# Altium PCB CONTROL_485.PcbDoc (part 2 of 2)
Units mm, origin at the board's own origin, x right, y up, seen from the top; angles counter-clockwise.
Board outline 100 x 50 mm, 2 copper layers (Top Layer, Top, Bottom Layer, Bottom), stack 1.57 mm thick; 196 components, 120 nets, 634 pads, 358 vias.
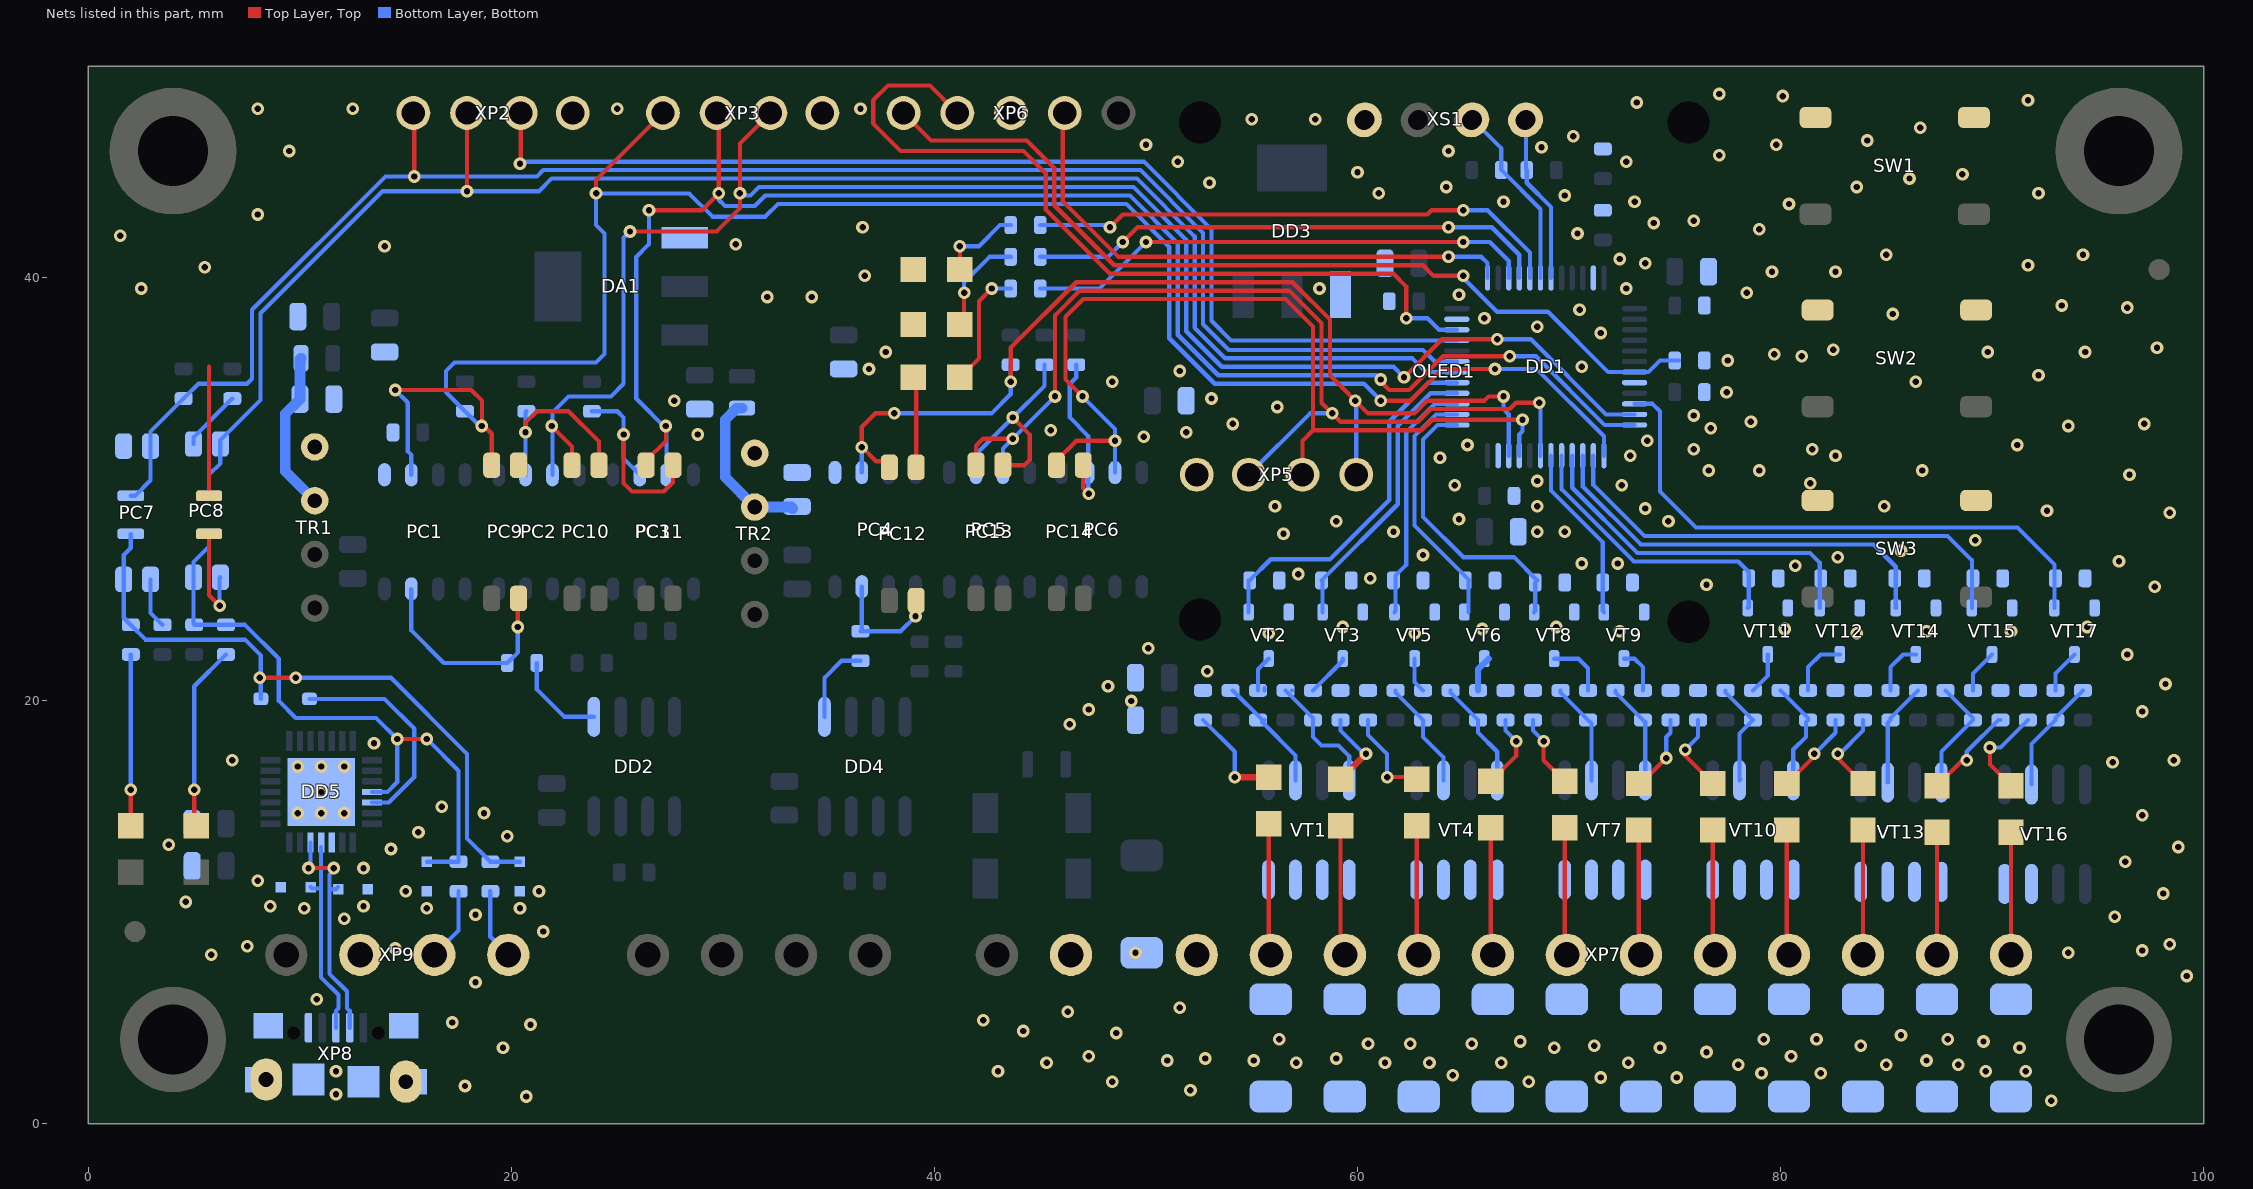
[diagram p2: the nets of this part, all layers, seen from the top]

## Via types
v1: diameter 0.6, hole 0.3, Top Layer, Top to Bottom Layer, Bottom, tented both sides, 358 vias

## Nets (pads, with @x,y where several pads share a name; then routed paths per layer and width w, separated by ;. In a path a pad name is that pad's centre, name@x,y a point inside that pad or via, vN(x,y) a via of type N, cw(c..) or ccw(c..) an arc to the next point about the centre after c; other vN are vias at no path point) (continued)
DEV1: PC2.2 PC10.1 R7.1 | length 8.9
  Top Layer, Top w0.2: v1(20.665,32.7) 20.665,33.165 21.2,33.7 22.7,33.7 24.135,32.265 PC10.1@24.135,31.15
  Bottom Layer, Bottom w0.2: PC2.2@20.665,30.7 20.665,33.665 R7.1@20.7,33.7
DEV2: PC5.2 PC13.1 R25.1 | length 10.1
  Top Layer, Top w0.2: PC13.1@43.235,31.15 44.25,31.15 44.5,31.4 44.5,32.6 v1(43.7,33.4)
  Bottom Layer, Bottom w0.2: PC5.2@41.965,30.8 41.965,31.665 v1(43.7,33.4) 45.2,34.9 R25.1@45.2,35.9
DV1: PC3.2 PC11.1 R11.1 | length 10.4
  Top Layer, Top w0.2: v1(25.3,32.6) 25.3,30.3 25.7,29.9 27.2,29.9 27.635,30.335 PC11.1@27.635,31.15
  Bottom Layer, Bottom w0.2: R11.1@23.8,33.7 25,33.7 25.3,33.4 v1(25.3,32.6) 25.3,31.465 PC3.2@26.065,30.7
DV2: PC6.2 PC14.1 R30.1 | length 8.1
  Top Layer, Top w0.2: PC14.1@47.035,31.15 47.035,30.065 v1(47.3,29.8)
  Bottom Layer, Bottom w0.2: R30.1@46.7,35.9 46.7,35.3 46.4,35 46.4,33.4 47.265,32.535 PC6.2@47.265,30.8 47.265,29.835 v1(47.3,29.8)
GND: C2.1 C3.1 C4.2 C5.1 C6.1 C7.1 C8.1 C9.1 C10.1 C11.1 C12.1 C14.1 C15.1 C16.1 C17.2 C19.2 C20.1 C21.1 C28.1 DA1.1 DD1.8 DD1.23 DD1.35 DD1.47 DD3.1 LED6.1 LED10.1 LED11.1 OLED1.1 PC1.5 PC4.5 PC7.3 PC9.3 PC12.3 R3.1 R8.1 R13.1 R14.2 R16.1 R18.1 R22.1 R27.1 R31.1 R33.1 R35.1 R42.1 R45.1 R50.1 R54.2 R55.1 R57.1 R60.1 R66.1 R67.1 R70.1 R71.1 R74.1 R75.1 SW1.2 SW2.2 SW3.2 TR1.1 TR2.1 VD8.2 VD9.2 VD10.2 VD11.2 VD12.2 VD13.2 VD14.2 VD15.2 VD16.2 VD17.2 VD18.2 VD19.2 VT2.2 VT3.2 VT5.2 VT6.2 VT8.2 VT9.2 VT11.2 VT12.2 VT14.2 VT15.2 VT17.2 XP1.2 XP2.4 XP3.4 XP5.4 XP6.3 XP7.1 XS1.1 | length 10.4
  Top Layer, Top w0.2: R54.2@5.7,29.7 5.7,35.8 ; LED6.1@39,35.3 39.135,35.165 PC12.3@39.135,31.05
  other v1: 92.8,1.1 52.1,1.6 48.4,2 68.1,2 71.5,2.2 75.1,2.2 64.5,2.3 79.1,2.4 81.9,2.4 43,2.5 89.7,2.5 91.6,2.5 78,2.8 85,2.8 88.4,2.8 45.3,2.9 57.1,2.9 61.3,2.9 63.4,2.9 66.8,2.9 72.8,2.9 51,3 55.1,3 86.9,3 52.8,3.1 59,3.1 47.3,3.2 80.5,3.2 76.5,3.4 69.3,3.6 74.3,3.6 91.3,3.6 71.2,3.7 83.8,3.7 60.5,3.8 62.5,3.8 65.4,3.8 67.7,3.9 89.6,3.9 56.3,4 79.2,4 81.7,4 87.9,4 85.7,4.2 48.6,4.3 44.2,4.4 42.3,4.9 46.3,5.3 51.6,5.5 99.2,7 49.5,8.1 93.6,8.1 97.1,8.2 98.4,8.5 95.8,9.8 98.1,10.9 96.3,12.4 98.8,13.1 97.1,14.6 95.7,17.1 98.6,17.2 46.4,18.9 97.1,19.5 47.3,19.6 49.3,20 48.2,20.7 98.2,20.8 52.9,21.4 96.4,22.2 50.1,22.5 55.8,23.2 62.7,23.2 83.6,23.2 72.4,23.3 86.9,23.3 90.9,23.3 65.9,23.4 80.2,23.4 59.3,23.5 69.4,23.5 94.5,23.5 97.7,25.4 76.5,25.5 60.6,25.8 57.2,26 80.7,26.4 70.6,26.5 72.3,26.5 96,26.6 82.7,26.8 63.1,26.9 85.7,27.1 89.2,27.6 56.5,27.9 61.7,28 68.5,28 69.8,28 59,28.5 74.7,28.5 64.8,28.6 98.4,28.9 92.6,29 73.6,29.1 56.1,29.2 68.5,29.2 84.9,29.2 64.6,30.2 72.5,30.2 81.4,30.3 68.5,30.4 96.5,30.7 76.6,30.9 79,30.9 86.7,30.9 63.9,31.5 72.9,31.6 82.6,31.6 75.9,31.9 81.5,31.9 65.2,32.1 91.2,32.1 73.7,32.3 49.9,32.5 28.8,32.6 51.9,32.7 45.5,32.8 76.7,32.9 93.6,33 54.1,33.1 97.2,33.1 78.6,33.2 75.9,33.5 56.2,33.9 27.7,34.2 53.1,34.3 77.45,34.6 48.4,35.1 86.4,35.1 92.2,35.4 51.6,35.6 36.9,35.7 70.6,35.8 77.5,36.1 81,36.3 79.7,36.4 37.7,36.5 89.8,36.5 94.4,36.5 82.5,36.6 97.8,36.7 71.5,37.4 68.5,37.7 66,38.1 85.3,38.3 70.5,38.5 96.4,38.6 93.3,38.7 32.1,39.1 34.2,39.1 64.8,39.2 78.4,39.3 2.5,39.5 58.2,39.5 72.7,39.5 36.7,40.1 79.6,40.3 82.6,40.3 5.5,40.5 91.7,40.6 73.6,40.7 72.4,40.9 85,41.1 94.3,41.1 14,41.5 30.6,41.6 1.5,42 70.4,42.1 79,42.3 36.6,42.4 74,42.6 75.9,42.7 8,43 80.4,43.5 66.9,43.6 73.1,43.6 69.8,43.9 61,44 92.2,44 64.2,44.3 83.6,44.3 53,44.5 86.1,44.7 88.6,44.9 60,45 51.5,45.5 72.7,45.5 77.1,45.8 9.5,46 64.3,46 68.7,46.18 50,46.3 79.8,46.3 84.1,46.5 70.2,46.7 86.6,47.1 55,47.5 58,47.5 8,48 12.5,48 25,48 36.5,48 73.2,48.3 91.7,48.4 80.1,48.6 77.1,48.7
I2C1_SCL: DD1.42 OLED1.3 R63.1 XS1.3 | length 8.8
  Bottom Layer, Bottom w0.2: XS1.3@65.43,47.5 66.8,46.13 R63.1@66.8,45.1 68.65,43.25 DD1.42@68.65,40
I2C1_SDA: DD1.43 OLED1.4 R62.1 XS1.4 | length 8
  Bottom Layer, Bottom w0.2: XS1.4@67.97,47.5 67.97,45.13 R62.1@68,45.1 68,44.5 69.15,43.35 DD1.43@69.15,40
LED_1: DD1.39 R38.2 | length 24.2
  Top Layer, Top w0.2: v1(50,41.7) v1(65,41.7)
  Bottom Layer, Bottom w0.2: R38.2@45,39.5 47.8,39.5 v1(50,41.7) ; v1(65,41.7) 66.25,41.7 67.15,40.8 DD1.39@67.15,40
LED_2: DD1.40 R44.2 | length 24.9
  Top Layer, Top w0.2: v1(48.9,41.7) 49.6,42.4 v1(64.3,42.4)
  Bottom Layer, Bottom w0.2: R44.2@45,41 48.2,41 v1(48.9,41.7) ; v1(64.3,42.4) 66.35,42.4 67.65,41.1 DD1.40@67.65,40
LED_3: DD1.41 R46.2 | length 25.6
  Top Layer, Top w0.2: v1(48.3,42.4) 48.9,43 63.3,43 63.5,43.2 v1(65,43.2)
  Bottom Layer, Bottom w0.2: R46.2@45,42.5 48.2,42.5 v1(48.3,42.4) ; v1(65,43.2) 66.15,43.2 68.15,41.2 DD1.41@68.15,40
NetC17_1: C17.1 L1.2 TR1.2 | length 7.6
  Bottom Layer, Bottom w0.5: L1.2@10.05,36.2 10,36.15 C17.1@10,34.275 9.3,33.575 9.3,30.87 TR1.2@10.7,29.47
NetC20_2: C20.2 L2.2 TR2.2 | length 7.6
  Bottom Layer, Bottom w0.5: L2.2@30.9,33.85 30.65,33.85 30.1,33.3 30.1,30.57 TR2.2@31.5,29.17 33.23,29.17 C20.2@33.3,29.1
NetDD2_1: DD2.1 R5.2 | length 4.5
  Bottom Layer, Bottom w0.2: R5.2@21.2,21.8 21.2,20.55 22.5,19.25 DD2.1@23.895,19.25
NetDD4_1: DD4.1 R21.2 | length 3.9
  Bottom Layer, Bottom w0.2: DD4.1@34.795,19.25 34.795,21.095 35.6,21.9 R21.2@36.5,21.9
NetDD5_26: DD5.26 VD3.1 | length 10.3
  Bottom Layer, Bottom w0.2: VD3.1@10.45,20.1 14,20.1 15.4,18.7 15.4,16.4 14.2,15.2 DD5.26@13.4,15.2
NetLED1_1: LED1.1 R3.2 | length 4.9
  Top Layer, Top w0.3: v1(54.2,16.4) LED1.1@55.8,16.4
  Bottom Layer, Bottom w0.2: R3.2@52.7,19.1 54.2,17.6 v1(54.2,16.4)
NetLED2_1: LED2.1 R13.2 | length 3.9
  Top Layer, Top w0.3: LED2.1@59.2,16.3 v1(60.4,17.5)
  Bottom Layer, Bottom w0.2: R13.2@59.2,19.1 59.2,18.6 60.3,17.5 v1(60.4,17.5)
NetLED3_1: LED3.1 R18.2 | length 4.5
  Top Layer, Top w0.2: v1(61.4,16.4) 62.7,16.4 LED3.1@62.8,16.3
  Bottom Layer, Bottom w0.2: R18.2@60.5,19.1 60.5,18.4 61.4,17.5 v1(61.4,16.4)
NetLED4_1: LED4.1 R27.2 | length 3.6
  Top Layer, Top w0.2: LED4.1@66.3,16.2 67.5,17.4 v1(67.5,18.1)
  Bottom Layer, Bottom w0.2: R27.2@67,19.1 67,18.6 v1(67.5,18.1)
NetLED5_1: LED5.1 R33.2 | length 3.5
  Top Layer, Top w0.2: v1(68.8,18.1) 68.8,17.2 LED5.1@69.8,16.2
  Bottom Layer, Bottom w0.2: R33.2@68.3,19.1 68.3,18.6 v1(68.8,18.1)
NetLED6_2: LED6.2 R38.1 | length 5.7
  Top Layer, Top w0.2: LED6.2@41.2,35.3 42.1,36.2 42.1,38.9 v1(42.7,39.5)
  Bottom Layer, Bottom w0.2: v1(42.7,39.5) R38.1@43.6,39.5
NetLED7_1: LED7.1 R37.1 | length 8.8
  Top Layer, Top w0.2: v1(5,15.8) 5,14.2 LED7.1@5.1,14.1
  Bottom Layer, Bottom w0.2: v1(5,15.8) 5,20.7 R37.1@6.5,22.2
NetLED8_1: LED8.1 R36.1 | length 8.1
  Top Layer, Top w0.2: LED8.1@2,14.1 v1(2,15.8)
  Bottom Layer, Bottom w0.2: v1(2,15.8) R36.1@2,22.2
NetLED9_1: LED9.1 R42.2 | length 3.7
  Top Layer, Top w0.2: LED9.1@73.3,16.1 73.4,16.1 v1(74.6,17.3)
  Bottom Layer, Bottom w0.2: v1(74.6,17.3) 74.6,18.3 74.8,18.5 R42.2@74.8,19.1
NetLED10_2: LED10.2 R44.1 | length 5.2
  Top Layer, Top w0.2: LED10.2@41.2,37.8 41.4,38 v1(41.4,39.3) 41.5,39.4 41.6,39.4 v1@41.45,39.25
  Bottom Layer, Bottom w0.2: v1(41.4,39.3) 41.4,39.8 42.6,41 R44.1@43.6,41
NetLED11_2: LED11.2 R46.1 | length 4.4
  Top Layer, Top w0.2: LED11.2@41.2,40.4 v1(41.2,41.5) v1@41.2,41.7
  Bottom Layer, Bottom w0.2: v1(41.2,41.5) 42.1,41.5 ; 42.3,41.7 42.1,41.5 ; R46.1@43.6,42.5 43.1,42.5 42.1,41.5
NetLED12_1: LED12.1 R50.2 | length 3.8
  Top Layer, Top w0.2: v1(75.5,17.7) 75.5,17.4 LED12.1@76.8,16.1
  Bottom Layer, Bottom w0.2: v1(75.5,17.7) 76.1,18.3 R50.2@76.1,19.1
NetLED13_1: LED13.1 R57.2 | length 4
  Top Layer, Top w0.2: LED13.1@80.3,16.1 81.6,17.4 v1(81.6,17.5)
  Bottom Layer, Bottom w0.2: v1(81.6,17.5) 82.6,18.5 R57.2@82.6,19.1
NetLED14_1: LED14.1 R66.2 | length 4.1
  Top Layer, Top w0.2: v1(82.7,17.5) 82.7,17.3 LED14.1@83.9,16.1
  Bottom Layer, Bottom w0.2: v1(82.7,17.5) 82.8,17.5 83.9,18.6 R66.2@83.9,19.1
NetLED15_1: LED15.1 R70.2 | length 4.5
  Top Layer, Top w0.2: LED15.1@87.4,16 88.6,17.2 v1(88.8,17.2)
  Bottom Layer, Bottom w0.2: v1(88.8,17.2) 88.8,17.6 90.3,19.1 R70.2@90.4,19.1
NetLED16_1: LED16.1 R74.2 | length 4.6
  Top Layer, Top w0.2: v1(89.9,17.8) 89.9,17 LED16.1@90.9,16
  Bottom Layer, Bottom w0.2: v1(89.9,17.8) 90.4,17.8 R74.2@91.7,19.1
NetPC7_1: PC7.1 R39.1 | length 2.4
  Bottom Layer, Bottom w0.2: PC7.1@2.935,25.75 2.935,24.165 R39.1@3.5,23.6
NetPC8_1: PC8.1 R48.1 | length 2.9
  Bottom Layer, Bottom w0.2: PC8.1@4.965,32.15 4.965,32.465 R48.1@6.8,34.3
NetR2_1: R2.1 R4.1 VT1.2 | length 5.6
  Bottom Layer, Bottom w0.2: R4.1@54.1,20.5 R2.1@55.5,19.1 ; R2.1@55.565,19.065 55.6,19.1 R2.1@55.5,19.1 ; VT1.2@57.065,16.25 57.065,17.428 55.5,18.993 R2.1@55.5,19.1
NetR2_2: R2.2 VT2.3 | length 1.8
  Bottom Layer, Bottom w0.2: R2.2@55.3,20.5 55.3,21.5 VT2.3@55.8,22 ; R2.2@55.6,20.5 R2.2@55.6,20.6
NetR12_1: R12.1 R15.1 VT1.4 | length 5.9
  Bottom Layer, Bottom w0.2: R12.1@56.6,20.5 R15.1@57.9,19.2 ; R15.1@57.9,19.1 57.9,18.3 58.3,17.9 59.1,17.9 59.605,17.395 VT1.4@59.605,16.25
NetR15_2: R15.2 VT3.3 | length 2.1
  Bottom Layer, Bottom w0.2: R15.2@57.9,20.5 59.3,21.9 VT3.3@59.3,22
NetR17_1: R17.1 R19.1 VT4.2 | length 5.2
  Bottom Layer, Bottom w0.2: R17.1@61.8,20.5 61.8,20.4 R19.1@63.1,19.1 63.1,18.3 64.065,17.335 VT4.2@64.065,16.25
NetR19_2: R19.2 VT5.3 | length 1.7
  Bottom Layer, Bottom w0.2: VT5.3@62.7,22 62.7,20.9 R19.2@63.1,20.5
NetR26_1: R26.1 R29.1 VT4.4 | length 5.2
  Bottom Layer, Bottom w0.2: R26.1@64.4,20.5 64.4,20.4 R29.1@65.7,19.1 65.7,18.505 66.605,17.6 VT4.4@66.605,16.25
NetR29_2: R29.2 VT6.3 | length 1.7
  Bottom Layer, Bottom w0.3: R29.2@65.7,20.5 65.7,21.5 VT6.3@66.2,22
NetR32_1: R32.1 R34.1 VT7.2 | length 4.9
  Bottom Layer, Bottom w0.2: R32.1@69.6,20.5 69.6,20.4 R34.1@70.9,19.1 71.065,18.935 VT7.2@71.065,16.25
NetR34_2: R34.2 VT8.3 | length 2.8
  Bottom Layer, Bottom w0.2: VT8.3@69.3,22 70.45,22 70.9,21.55 R34.2@70.9,20.5
NetR41_1: R41.1 R43.1 VT7.4 | length 4.8
  Bottom Layer, Bottom w0.2: R41.1@72.2,20.5 72.2,20.4 R43.1@73.5,19.1 73.605,18.995 VT7.4@73.605,16.25
NetR43_2: R43.2 VT9.3 | length 2.2
  Bottom Layer, Bottom w0.2: VT9.3@72.6,22 73.1,22 73.5,21.6 R43.2@73.5,20.5
NetR49_1: R49.1 R52.1 VT10.2 | length 5.1
  Bottom Layer, Bottom w0.2: R49.1@77.4,20.5 77.4,20.4 R52.1@78.7,19.1 78.065,18.465 VT10.2@78.065,16.25 VT10.2@78.1,16.285
NetR52_2: R52.2 VT11.3 | length 2
  Bottom Layer, Bottom w0.2: R52.2@78.7,20.5 79.4,21.2 VT11.3@79.4,22.2
NetR56_1: R56.1 R58.1 VT10.4 | length 5.1
  Bottom Layer, Bottom w0.2: R56.1@80,20.5 81.3,19.2 R58.1@81.3,19.1 81.2,19 81.2,18.3 80.605,17.705 VT10.4@80.605,16.25
NetR58_2: R58.2 VT12.3 | length 2.8
  Bottom Layer, Bottom w0.2: R58.2@81.3,20.5 81.3,21.6 81.9,22.2 VT12.3@82.8,22.2
NetR64_1: R64.1 R65.1 VT13.2 | length 4.9
  Bottom Layer, Bottom w0.2: VT13.2@85.065,16.15 85.065,18.965 R65.1@85.2,19.1 85.2,19.2 R64.1@86.5,20.5
NetR65_2: R65.2 VT14.3 | length 2.5
  Bottom Layer, Bottom w0.2: R65.2@85.2,20.5 85.2,21.6 85.8,22.2 VT14.3@86.4,22.2
NetR68_1: R68.1 R69.1 VT13.4 | length 5.5
  Bottom Layer, Bottom w0.2: VT13.4@87.605,16.15 87.605,17.605 R69.1@89.1,19.1 89.1,19.2 R68.1@87.8,20.5
NetR69_2: R69.2 VT15.3 | length 2.1
  Bottom Layer, Bottom w0.2: R69.2@89.1,20.5 89.1,21.3 VT15.3@90,22.2
NetR72_1: R72.1 R73.1 VT16.2 | length 5.5
  Bottom Layer, Bottom w0.2: VT16.2@91.865,16.05 91.865,17.965 R73.1@93,19.1 93,19.2 R72.1@94.3,20.5
NetR73_2: R73.2 VT17.3 | length 2.1
  Bottom Layer, Bottom w0.2: R73.2@93,20.5 93,21.3 VT17.3@93.9,22.2
NRST: C4.1 DD1.7 XP6.5 | length 43.2
  Top Layer, Top w0.2: XP6.5@38.44,47.9 39.84,46.5 44.36,46.5 45.66,45.2 45.66,43.44 48.5,40.6 63.1,40.6 63.6,40.1 v1(65,40.1)
  Bottom Layer, Bottom w0.2: v1(65,40.1) 65,40 66.6,38.4 69,38.4 71.85,35.55 DD1.7@73.1,35.55 73.75,35.55 74.3,36.1 C4.1@75.2,36.1
ON_SW_1: DD1.29 R8.2 VT2.1 | length 17.3
  Bottom Layer, Bottom w0.2: VT2.1@54.85,24.2 R8.2@54.85,25.7 ; R8.2@54.9,25.7 55.9,26.7 58.7,26.7 61.5,29.5 61.5,33.2 63.35,35.05 DD1.29@64.7,35.05
ON_SW_2: DD1.28 R16.2 VT3.1 | length 13.8
  Bottom Layer, Bottom w0.2: R16.2@58.3,25.7 R16.2@58.35,25.75 ; VT3.1@58.35,24.2 R16.2@58.35,25.75 ; DD1.28@64.7,34.55 63.45,34.55 61.9,33 61.9,29.3 R16.2@58.35,25.75
ON_SW_3: DD1.27 R22.2 VT5.1 | length 11.7
  Bottom Layer, Bottom w0.2: VT5.1@61.75,24.2 61.8,24.25 61.8,25.925 62.3,26.425 62.3,32.7 63.65,34.05 DD1.27@64.7,34.05
ON_SW_4: DD1.26 R31.2 VT6.1 | length 11.8
  Bottom Layer, Bottom w0.2: DD1.26@64.7,33.55 63.716,33.55 62.7,32.534 62.7,28.3 R31.2@65.3,25.7 ; VT6.1@65.25,24.2 R31.2@65.25,25.65
ON_SW_5: DD1.25 R35.2 VT8.1 | length 13.6
  Bottom Layer, Bottom w0.2: DD1.25@64.7,33.05 63.781,33.05 63.1,32.369 63.1,28.7 65,26.8 67.4,26.8 R35.2@68.5,25.7 ; VT8.1@68.35,24.2 68.4,24.25 R35.2@68.4,25.6
ON_SW_6: DD1.18 R45.2 VT9.1 | length 8.4
  Bottom Layer, Bottom w0.2: DD1.18@69.15,31.6 69.15,29.95 71.6,27.5 R45.2@71.6,25.6 71.6,24.25 VT9.1@71.65,24.2
ON_SW_7: DD1.17 R55.2 VT11.1 | length 13.8
  Bottom Layer, Bottom w0.2: DD1.17@69.65,31.6 69.65,30.016 73.066,26.6 78,26.6 78.5,26.1 R55.2@78.5,25.8 78.5,24.45 VT11.1@78.45,24.4
ON_SW_8: DD1.16 R60.2 VT12.1 | length 16.8
  Bottom Layer, Bottom w0.2: DD1.16@70.15,31.6 70.15,30.081 73.231,27 81.4,27 81.85,26.55 VT12.1@81.85,24.4
ON_SW_9: DD1.15 R67.2 VT14.1 | length 19.8
  Bottom Layer, Bottom w0.2: DD1.15@70.65,31.6 70.65,30.147 73.397,27.4 84.4,27.4 85.45,26.35 VT14.1@85.45,24.4
ON_SW_10: DD1.14 R71.2 VT15.1 | length 23
  Bottom Layer, Bottom w0.2: DD1.14@71.15,31.6 71.15,30.213 73.563,27.8 87.9,27.8 89.05,26.65 VT15.1@89.05,24.4
ON_SW_11: DD1.10 R75.2 VT17.1 | length 27.3
  Bottom Layer, Bottom w0.2: DD1.10@73.1,34.05 73.95,34.05 74.3,33.7 74.3,29.9 76,28.2 91.2,28.2 92.95,26.45 VT17.1@92.95,24.4
OUT_SW_1: LED1.2 VD8.1 VT1.7 VT1.8 XP7.2 | length 6.2
  Top Layer, Top w0.2: LED1.2@55.8,14.2 55.8,8.1 XP7.2@55.9,8
OUT_SW_2: LED2.2 VD9.1 VT1.5 VT1.6 XP7.3 | length 6.2
  Top Layer, Top w0.2: LED2.2@59.2,14.1 59.2,8.2 XP7.3@59.4,8
OUT_SW_3: LED3.2 VD10.1 VT4.7 VT4.8 XP7.4 | length 6.1
  Top Layer, Top w0.2: LED3.2@62.8,14.1 62.8,8.1 XP7.4@62.9,8
OUT_SW_4: LED4.2 VD11.1 VT4.5 VT4.6 XP7.5 | length 6
  Top Layer, Top w0.2: LED4.2@66.3,14 66.3,8.1 XP7.5@66.4,8
OUT_SW_5: LED5.2 VD12.1 VT7.7 VT7.8 XP7.6 | length 6
  Top Layer, Top w0.2: LED5.2@69.8,14 69.8,8.1 XP7.6@69.9,8
OUT_SW_6: LED9.2 VD13.1 VT7.5 VT7.6 XP7.7 | length 5.9
  Top Layer, Top w0.2: LED9.2@73.3,13.9 73.3,8.1 XP7.7@73.4,8
OUT_SW_7: LED12.2 VD15.1 VT10.7 VT10.8 XP7.8 | length 5.9
  Top Layer, Top w0.2: LED12.2@76.8,13.9 76.8,8.1 XP7.8@76.9,8
OUT_SW_8: LED13.2 VD17.1 VT10.5 VT10.6 XP7.9 | length 5.9
  Top Layer, Top w0.2: LED13.2@80.3,13.9 80.3,8.1 XP7.9@80.4,8
OUT_SW_9: LED14.2 VD14.1 VT13.7 VT13.8 XP7.10 | length 5.9
  Top Layer, Top w0.2: XP7.10@83.9,8 LED14.2@83.9,13.9
OUT_SW_10: LED15.2 VD16.1 VT13.5 VT13.6 XP7.11 | length 5.8
  Top Layer, Top w0.2: XP7.11@87.4,8 LED15.2@87.4,13.8
OUT_SW_11: LED16.2 VD18.1 VT16.7 VT16.8 XP7.12 | length 5.8
  Top Layer, Top w0.2: XP7.12@90.9,8 LED16.2@90.9,13.8
R1: PC1.3 PC9.2 R5.1 | length 10.4
  Top Layer, Top w0.2: v1(20.3,23.5) 20.3,24.815 PC9.2@20.335,24.85
  Bottom Layer, Bottom w0.2: PC1.3@15.265,25.3 15.265,23.335 16.8,21.8 R5.1@19.8,21.8 20.3,22.3 v1(20.3,23.5)
R2: PC4.3 PC12.2 R21.1 | length 5
  Bottom Layer, Bottom w0.2: PC4.3@36.565,25.4 36.565,23.365 R21.1@36.5,23.3 38.4,23.3 v1(39.1,24)
RX: DD5.25 PC8.4 R37.2 R47.1 R53.1 R59.1 VD6.2 | length 30.4
  Top Layer, Top w0.2: v1(14.6,18.2) v1(16,18.2)
  Bottom Layer, Bottom w0.2: R53.1@5.7,27.9 5.7,27.3 4.965,26.565 PC8.4@4.965,25.85 4.965,23.635 R47.1@5,23.6 R37.2@6.5,23.6 7.4,23.6 9,22 9,20 9.8,19.2 13.6,19.2 v1(14.6,18.2) 14.6,16.166 14.134,15.7 DD5.25@13.4,15.7 ; VD6.2@15.999,12.4 R59.1@17.5,12.4 17.5,16.7 v1(16,18.2)
RX_T: R59.2 XP9.3 | length 3.5
  Bottom Layer, Bottom w0.2: XP9.3@16.35,8 17.5,9.15 R59.2@17.5,11
SGND: C23.2 C24.2 DD5.3 DD5.29 PC8.3 R54.1 VD4.1 VD5.1 VD6.1 VD7.1 XP8.GND XP8.GND2 XP9.2 | length 5
  Top Layer, Top w0.2: R54.1@5.7,27.9 5.7,25 v1(6.2,24.5)
  Bottom Layer, Bottom w0.2: v1(6.2,24.5) 6.2,25.815 PC8.3@6.235,25.85
  other v1: 20.7,1.3 11.7,1.4 17.8,1.8 11.7,2.5 19.6,3.6 20.9,4.7 17.2,4.8 10.8,5.9 18.3,6.7 5.8,8 14.5,8.3 7.5,8.4 21.5,9.1 12.1,9.7 18.3,9.9 10.2,10.2 16,10.2 20.4,10.2 8.6,10.3 13,10.3 4.6,10.5 15,11 21.3,11 8,11.5 13,12.1 14.3,13 3.8,13.2 19.8,13.6 15.6,13.8 9.9,14.7 11,14.7 12.1,14.7 18.7,14.7 16.7,15 11,15.7 9.9,16.9 11,16.9 12.1,16.9 6.8,17.2 13.5,18
SWCLK: DD1.37 XP6.2 | length 26.3
  Top Layer, Top w0.2: XP6.2@46.06,47.9 46.06,43.64 48.7,41 62.031,41 v1(64.3,41)
  Bottom Layer, Bottom w0.2: v1(64.3,41) 65.85,41 66.15,40.7 DD1.37@66.15,40
SWDIO: DD1.34 XP6.4 | length 39.3
  Top Layer, Top w0.2: XP6.4@40.98,47.9 39.78,49.1 37.8,49.1 37.1,48.4 37.1,47.3 38.4,46 44.2,46 45.26,44.94 45.26,43.24 48.3,40.2 61.7,40.2 62.3,39.6 v1(62.3,38.1)
  Bottom Layer, Bottom w0.2: v1(62.3,38.1) 63.3,38.1 63.85,37.55 DD1.34@64.7,37.55
TX: PC7.2 R36.2 R51.1 R61.1 VD3.2 VD7.2 | length 31.6
  Top Layer, Top w0.2: v1(8.1,21.1) v1(9.8,21.1)
  Bottom Layer, Bottom w0.2: R51.1@2,27.9 2,27.235 1.665,26.9 PC7.2@1.665,25.75 1.665,23.935 R36.2@2,23.6 2.7,22.9 7.4,22.9 8.15,22.15 VD3.2@8.15,20.1 ; v1(9.8,21.1) 14.3,21.1 17.9,17.5 17.9,13.5 R61.1@19,12.4 VD7.2@20.399,12.4
TX_T: R61.2 XP9.4 | length 3.4
  Bottom Layer, Bottom w0.2: R61.2@19,11 19,8.85 XP9.4@19.85,8
USART1_DE: DD1.33 XP2.3 | length 52.8
  Top Layer, Top w0.2: v1@20.44,45.4 XP2.3@20.44,47.8
  Bottom Layer, Bottom w0.2: v1(20.4,45.4) 20.5,45.5 49.9,45.5 53.1,42.3 53.1,37.976 54.026,37.05 DD1.33@64.7,37.05
USART1_RX: DD1.31 PC7.4 R40.1 R51.2 XP2.1 | length 81.6
  Top Layer, Top w0.2: XP2.1@15.36,47.8 15.4,47.76 v1(15.4,44.8)
  Bottom Layer, Bottom w0.2: R51.2@2,29.7 2.2,29.7 2.935,30.435 PC7.4@2.935,32.05 2.935,32.735 R40.1@4.5,34.3 5.2,35 7.5,35 7.735,35.235 7.735,38.498 14.037,44.8 v1(15.4,44.8) 21.2,44.8 21.5,45.1 49.734,45.1 52.7,42.134 52.7,37.81 53.91,36.6 63.1,36.6 63.65,36.05 DD1.31@64.7,36.05
USART1_TX: DD1.30 PC8.2 R53.2 XP2.2 | length 78.9
  Top Layer, Top w0.2: v1(17.9,44.1) XP2.2@17.9,47.8
  Bottom Layer, Bottom w0.2: R53.2@5.7,29.7 5.7,30.7 6.235,31.235 PC8.2@6.235,32.15 6.235,32.335 8.135,34.235 8.135,38.332 13.903,44.1 v1(17.9,44.1) 21.3,44.1 21.9,44.7 49.569,44.7 52.3,41.969 52.3,37.644 53.744,36.2 62.6,36.2 63.25,35.55 DD1.30@64.7,35.55
USART2_DE: DD1.11 PC2.3 PC10.2 XP3.3 | length 78
  Top Layer, Top w0.2: v1(21.9,33) 22.865,32.035 PC10.2@22.865,31.15 ; v1(25.6,42.2) 29.7,42.2 30.8,43.3 v1(30.8,44) 30.8,46.36 XP3.3@32.24,47.8 ; v1(62.2,35.3) 64,37.1 v1(66.6,37.1)
  Bottom Layer, Bottom w0.2: PC2.3@21.935,30.7 21.935,33.635 22.7,34.4 24.7,34.4 25.3,35 25.3,41.9 v1(25.6,42.2) ; v1@30.9,43.9 31.3,43.9 31.7,44.3 49.403,44.3 51.9,41.803 51.9,37.479 53.579,35.8 61.7,35.8 v1(62.2,35.3) ; v1(66.6,37.1) 68.2,37.1 71.75,33.55 DD1.11@73.1,33.55
USART2_RX: DD1.13 PC1.6 PC9.4 R1.1 XP3.1 | length 93.5
  Top Layer, Top w0.2: v1(14.5,34.7) 18.1,34.7 18.6,34.2 v1(18.6,33) ; v1@18.7,33 19.065,32.635 PC9.4@19.065,31.15 ; v1(24,44) 24,44.64 XP3.1@27.16,47.8 ; v1(61.1,34.2) 62.514,34.2 64.014,35.7 v1(66.5,35.7)
  Bottom Layer, Bottom w0.2: v1(14.5,34.7) 15.1,34.1 15.1,31.8 15.265,31.635 PC1.6@15.265,30.7 ; v1(18.6,33) 18.5,33 R1.1@17.8,33.7 16.9,34.6 16.9,35.6 17.3,36 24,36 24.4,36.4 24.4,42.1 24,42.5 v1(24,44) 28.4,44 29.5,42.9 32,42.9 32.6,43.5 49.072,43.5 51.1,41.472 51.1,37.147 53.247,35 60.3,35 v1(61.1,34.2) ; v1(66.5,35.7) 68.469,35.7 71.65,32.519 DD1.13@71.65,31.6
USART2_TX: DD1.12 PC3.3 PC11.2 XP3.2 | length 75.9
  Top Layer, Top w0.2: PC11.2@26.365,31.15 26.365,31.365 27.3,32.3 v1(27.3,33) ; v1(26.5,43.2) 29,43.2 v1(29.8,44) XP3.2@29.8,47.9 ; v1(61.1,35.2) 61.1,35.1 61.5,34.7 62.449,34.7 64.049,36.3 v1(67.2,36.3)
  Bottom Layer, Bottom w0.2: v1(26.5,43.2) 26.3,43.2 26.5,43 26.5,41.6 25.9,41 25.9,34.3 27.335,32.865 PC3.3@27.335,30.7 ; v1(27.3,33) v1@27.5,33 ; v1(29.8,44) 29.8,43.7 30.1,43.4 31.5,43.4 32,43.9 49.237,43.9 51.5,41.637 51.5,37.313 53.413,35.4 60.9,35.4 v1(61.1,35.2) ; v1(67.2,36.3) 68.434,36.3 71.684,33.05 DD1.12@73.1,33.05
USART3_DE: DD1.19 PC5.3 PC13.2 XP5.3 | length 47.5
  Top Layer, Top w0.2: PC13.2@41.965,31.15 41.965,32.065 42.3,32.4 v1(43.7,32.4) ; v1(45.7,34.4) 45.7,38.234 46.866,39.4 56.766,39.4 58.3,37.866 58.3,34.1 v1(58.8,33.6) 59.2,33.2 62.866,33.2 63.466,33.8 67.2,33.8 67.5,34.1 v1(68.6,34.1)
  Bottom Layer, Bottom w0.2: PC5.3@43.235,30.8 43.235,31.935 v1(43.7,32.4) ; v1@43.8,32.4 43.8,32.5 v1(45.7,34.4) ; XP5.3@54.86,30.7 57.76,33.6 v1(58.8,33.6) ; v1(68.6,34.1) 68.6,34 68.65,34.05 DD1.19@68.65,31.6
USART3_RX: DD1.22 PC4.6 PC12.4 R20.1 XP5.1 | length 50.1
  Top Layer, Top w0.2: PC12.4@37.865,31.05 37.865,31.335 37.23,31.335 v1(36.565,32) 36.565,32.965 37.2,33.6 v1(38.1,33.6) ; v1(43.6,35.1) 43.6,36.7 46.7,39.8 56.931,39.8 58.7,38.031 58.7,35.4 60.5,33.6 62.7,33.6 63.3,34.2 66,34.2 66.2,34.4 v1(66.9,34.4)
  Bottom Layer, Bottom w0.2: PC4.6@36.565,30.8 v1(36.565,32) ; v1(38.1,33.6) 42.7,33.6 43.6,34.5 v1(43.6,35.1) R20.1@43.6,35.9 ; v1(59.9,34.2) 59.94,34.16 XP5.1@59.94,30.7 ; v1(66.9,34.4) 66.9,33.8 67.15,33.55 DD1.22@67.15,31.6
USART3_TX: DD1.21 PC6.3 PC14.2 XP5.2 | length 43.6
  Top Layer, Top w0.2: PC14.2@45.765,31.15 45.765,31.365 46.7,32.3 v1(48.535,32.3) ; v1(47,34.4) 46.2,35.2 46.2,38.169 47.031,39 56.6,39 57.9,37.7 57.9,32.8 ; XP5.2@57.4,30.7 57.4,32.3 57.9,32.8 ; v1@67.8,33.5 v1(67.8,33.3) 63.531,33.3 63.031,32.8 57.9,32.8
  Bottom Layer, Bottom w0.2: v1(47,34.4) 48.535,32.865 PC6.3@48.535,30.8 ; DD1.21@67.65,31.6 67.65,32.6 67.8,32.75 v1(67.8,33.3)
USB_D_N: DD5.5 VD5.2 XP8.D- | length 11.2
  Top Layer, Top w0.2: v1(10.4,12.1) 11.4,12.1 11.5,12.2 v1(11.6,12.1)
  Bottom Layer, Bottom w0.2: v1(10.4,12.1) 10.4,12.2 10.5,12.1 DD5.5@10.5,13.3 ; v1(11.6,12.1) 11.6,12 11.4,11.8 11.4,11.1 ; VD5.2@11.8,11.199 11.701,11.1 11.4,11.1 ; XP8.D-@12.35,4.55 12.35,5.35 12.225,5.475 12.225,6.275 11.4,7.1 11.4,11.1
USB_D_P: DD5.4 VD4.2 XP8.D+ | length 9.5
  Bottom Layer, Bottom w0.2: VD4.2@10.5,11.201 10.563,11.138 11,11.138 ; DD5.4@11,13.1 11,11.138 ; XP8.D+@11.7,4.55 11.7,5.35 11.825,5.475 11.825,6.109 11,6.934 11,11.138
pads on no net: DD1.5 DD1.6 DD1.20 DD1.32 DD1.38 DD1.45 DD1.46 DD5.1 DD5.2 DD5.9 DD5.10 DD5.11 DD5.12 DD5.13 DD5.14 DD5.15 DD5.16 DD5.17 DD5.18 DD5.19 DD5.20 DD5.21 DD5.22 DD5.23 DD5.24 DD5.27 DD5.28 OLED1.0 PC1.1 PC1.4 PC2.1 PC2.4 PC3.1 PC3.4 PC4.1 PC4.4 PC5.1 PC5.4 PC6.1 PC6.4 Reper1.Reper Reper2.Reper Reper3.Reper Reper4.Reper VT16.3 VT16.4 VT16.5 VT16.6 XP8.0 XP8.ID

## Polygon pours and split planes (outlines as drawn)
GND on Bottom Layer, Bottom "Bottom Layer, Bottom-No Net" (solid, remove dead copper, pour order 16): 0.5,49.5 5,49.5 99.5,49.5 99.5,47 99.5,44 99.5,0.5 96.5,0.5 40,0.5 40,1.5 40,14 45,19 49,23 49,24.5 49,29 45.4,29 24.5,29 11,29 0.5,29
SGND on Bottom Layer, Bottom "Bottom Layer, Bottom-No Net" (solid, remove dead copper, pour order 10): 0.6,26.5 13.3,26.5 16.8,23 17.1,22.7 17.1,20.5 17.1,18.4 18.5,17 18.5,15.6 19.8,14.3 21.4,12.7 21.95,12.15 21.95,8.4 21.95,0.5 6.8,0.5 6.8,7.4 0.6,7.4
GND on Top Layer, Top "Bottom Layer, Bottom-No Net" (solid, pour order 14): 0.5,49.5 5,49.5 99.5,49.5 99.5,47 99.5,44 99.5,0.5 96.5,0.5 40,0.5 40,1.5 40,14 45,19 49,23 49,24.5 49,30.5 0.5,30.5
SGND on Top Layer, Top "Bottom Layer, Bottom-No Net" (solid, remove dead copper, pour order 12): 0.6,26.5 13.3,26.5 16.8,23 21.95,17.85 21.95,12.15 21.95,8.4 21.95,0.5 6.8,0.5 6.8,7.4 0.6,7.4

## Keep-outs
Keep-Out Layer, Board:
  circle w0.3: c96,4 r2.8
  circle w0.3: c4,4 r2.8
  circle w0.3: c4,46 r3.5
  circle w0.3: c96,46 r2.8
  circle w0.3: c96,46 r3.5
  circle w0.3: c96,4 r3.1
  circle w0.3: c4,4 r3
  lines w0.5: 0,0 0,50 100,50 100,0 0,0

## Other copper
Top Layer, Top:
  rectangle net 12V: 48.2,37.7 55.5,38.6
  pour cut-out: 39.7,0 39.7,16.4 42.7,19.4 45.4,19.4 50.5,24.5 50.5,29.6 9.3,29.7 9.3,22.3 17.9,22.3 18.2,22 22.4,17.8 22.4,0
Bottom Layer, Bottom:
  rectangle net 5V: 29.2,39.1 30,40.1
  rectangle net 12V: 48.3,36.6 50.4,38.7
  rectangle net 12V: 53.6,37.9 55.5,41.1
  rectangle net +IN: 41.4,6.4 44.5,17.8
  rectangle net 12V: 90,14.6 91.2,17.1
  rectangle net 12V: 83.2,14.7 84.4,17.2
  rectangle net 12V: 85.8,14.7 86.9,17.2
  rectangle net 12V: 46,10.446 53,17.8
  rectangle net 12V: 52.5,12.9 95,14.9
  rectangle net OUT_SW_1: 54.6,5.1 57.4,12.5
  rectangle net OUT_SW_2: 58,5.1 60.7,12.5
  rectangle net OUT_SW_4: 65,5.1 67.7,12.5
  rectangle net OUT_SW_3: 61.6,5.1 64.4,12.5
  rectangle net OUT_SW_6: 72,5.1 74.7,12.5
  rectangle net OUT_SW_5: 68.6,5.1 71.4,12.5
  rectangle net OUT_SW_8: 79,5.1 81.7,12.5
  rectangle net OUT_SW_7: 75.6,5.1 78.4,12.5
  rectangle net 12V: 55.2,14.8 56.4,17.3
  rectangle net 12V: 57.8,14.8 58.9,17.3
  rectangle net 12V: 64.8,14.8 65.9,17.3
  rectangle net 12V: 62.2,14.8 63.4,17.3
  rectangle net 12V: 71.8,14.8 72.9,17.3
  rectangle net 12V: 69.2,14.8 70.4,17.3
  rectangle net 12V: 78.8,14.8 79.9,17.3
  rectangle net 12V: 76.2,14.8 77.4,17.3
  rectangle net OUT_SW_11: 89.6,5.9 92.2,12.5
  rectangle net OUT_SW_9: 82.6,5.1 85.4,12.5
  rectangle net OUT_SW_10: 86,5.1 88.7,12.5
  pour cut-out: 39.7,0.2 39.7,16.6 42,18.9 45.5,18.9 50.5,23.9 50.5,30 9.6,30 9.6,21.3 15.6,21.3 19.75,17.15 19.75,14.2 21.775,12.175 21.775,0.5 22.4,0.2

## Silkscreen, mask and mechanical layers (free items; w line width, h text height)
Top Overlay, Top Silk:
  lines w0.3: 7.2,9.5 7.2,21.3 21.9,21.3 21.9,9.5 ; 7.2,18 21.9,18 ; 24.25,9.5 24.25,18.1 39.05,18.1 39.05,9.5 ; 24.25,14.9 39.05,14.9 ; 31.9,9.5 31.9,14.9 ; 40.75,9.5 40.75,18.1 48.7,18.1 48.7,9.5 ; 50.2,9.5 50.2,21.3 93,21.3 93,9.5 ; 37.5,33.83 37.5,42.2 44,42.2 44,33.9 37.57,33.9 37.5,33.83
  text "1" at 79.1,44.6 h3
  text "RX" at 16,43.3 h2 r90
  text "TX" at 18.54,43.3 h2 r90
  text "DE" at 21.08,43.3 h2 r90
  text "RX" at 27.8,43.3 h2 r90
  text "TX" at 30.34,43.3 h2 r90
  text "DE" at 32.88,43.3 h2 r90
  text "DIO" at 41.7,43.1 h2 r90
  text "3V3" at 49.4,43 h2 r90
  text "CLK" at 46.8,42.7 h2 r90
  text "RES" at 39.3,42.6 h2 r90
  text "GND" at 44.4,42.5 h2 r90
  text "GND" at 60.95,42.4 h2 r90
  text "3V3" at 63.44,42.35 h2 r90
  text "SCL" at 65.98,42.35 h2 r90
  text "SDA" at 68.52,42.35 h2 r90
  text "GND" at 23.6,42.3 h2 r90
  text "GND" at 35.4,42.3 h2 r90
  text "SWD" at 45.5,41.1 h2
  text "USART_1" at 15.4,40.6 h2
  text "USART_2" at 27.1,40.5 h2
  text "3" at 42.7,39.9 h2
  text "2" at 42.7,37.1 h2
  text "2" at 79.1,35.5 h3
  text "1" at 42.7,34.6 h2
  text "DE" at 55.6,26.5 h2 r90
  text "TX" at 58.1,26.4 h2 r90
  text "RX" at 60.6,26.4 h2 r90
  text "3" at 79.2,26.4 h3
  text "GND" at 53,25.2 h2 r90
  text "USART_3" at 54,23.8 h2
  text "USB" at 11.6,18.8 h3
  text "OUT 12V 5A MAX" at 58.9,18.6 h3.5
  text "USART" at 10.4,15.8 h3
  text "RS-485" at 27,15.7 h3
  text "IN (RX)" at 5.8,15.5 h2 r90
  text "OUT (TX)" at 2.6,15.4 h2 r90
  text "12V" at 42.5,15 h3
  text "2" at 34.8,12.7 h3
  text "1" at 27.9,12.6 h3
  text "-" at 46.5,10.197 h3
  text "RX" at 10.2,10 h3 r90
  text "TX" at 13.7,10 h3 r90
  text "GND" at 17.3,10 h3 r90
  text "3.3V" at 20.8,10 h3 r90
  text "+" at 42.3,10 h3
  text "1" at 55.4,10 h3
  text "2" at 58.9,10 h3
  text "3" at 62.4,10 h3
  text "4" at 65.9,10 h3
  text "5" at 69.4,10 h3
  text "6" at 72.9,10 h3
  text "7" at 76.4,10 h3
  text "8" at 79.9,10 h3
  text "9" at 83.4,10 h3
  text "10" at 86,10 h3
  text "11" at 89.7,10 h3
  text "GND" at 53.5,9.9 h3 r90
  text "B" at 25.9,9.8 h3
  text "A" at 29.1,9.8 h3
  text "B" at 32.9,9.8 h3
  text "A" at 36.1,9.8 h3
Mechanical 4:
  the board outline again, w0.5

## Text inside footprints (layer, text, board x,y; h text height)
OLED1: Top Overlay, Top Silk "1" at 58.04,46.65 h2
XS1: Top Overlay, Top Silk "4" at 69.7,46.8 h2; Top Overlay, Top Silk "1" at 58.09,46.7 h2